# EAGLE board board (EAGLE 7.5.0), part 2 of 2
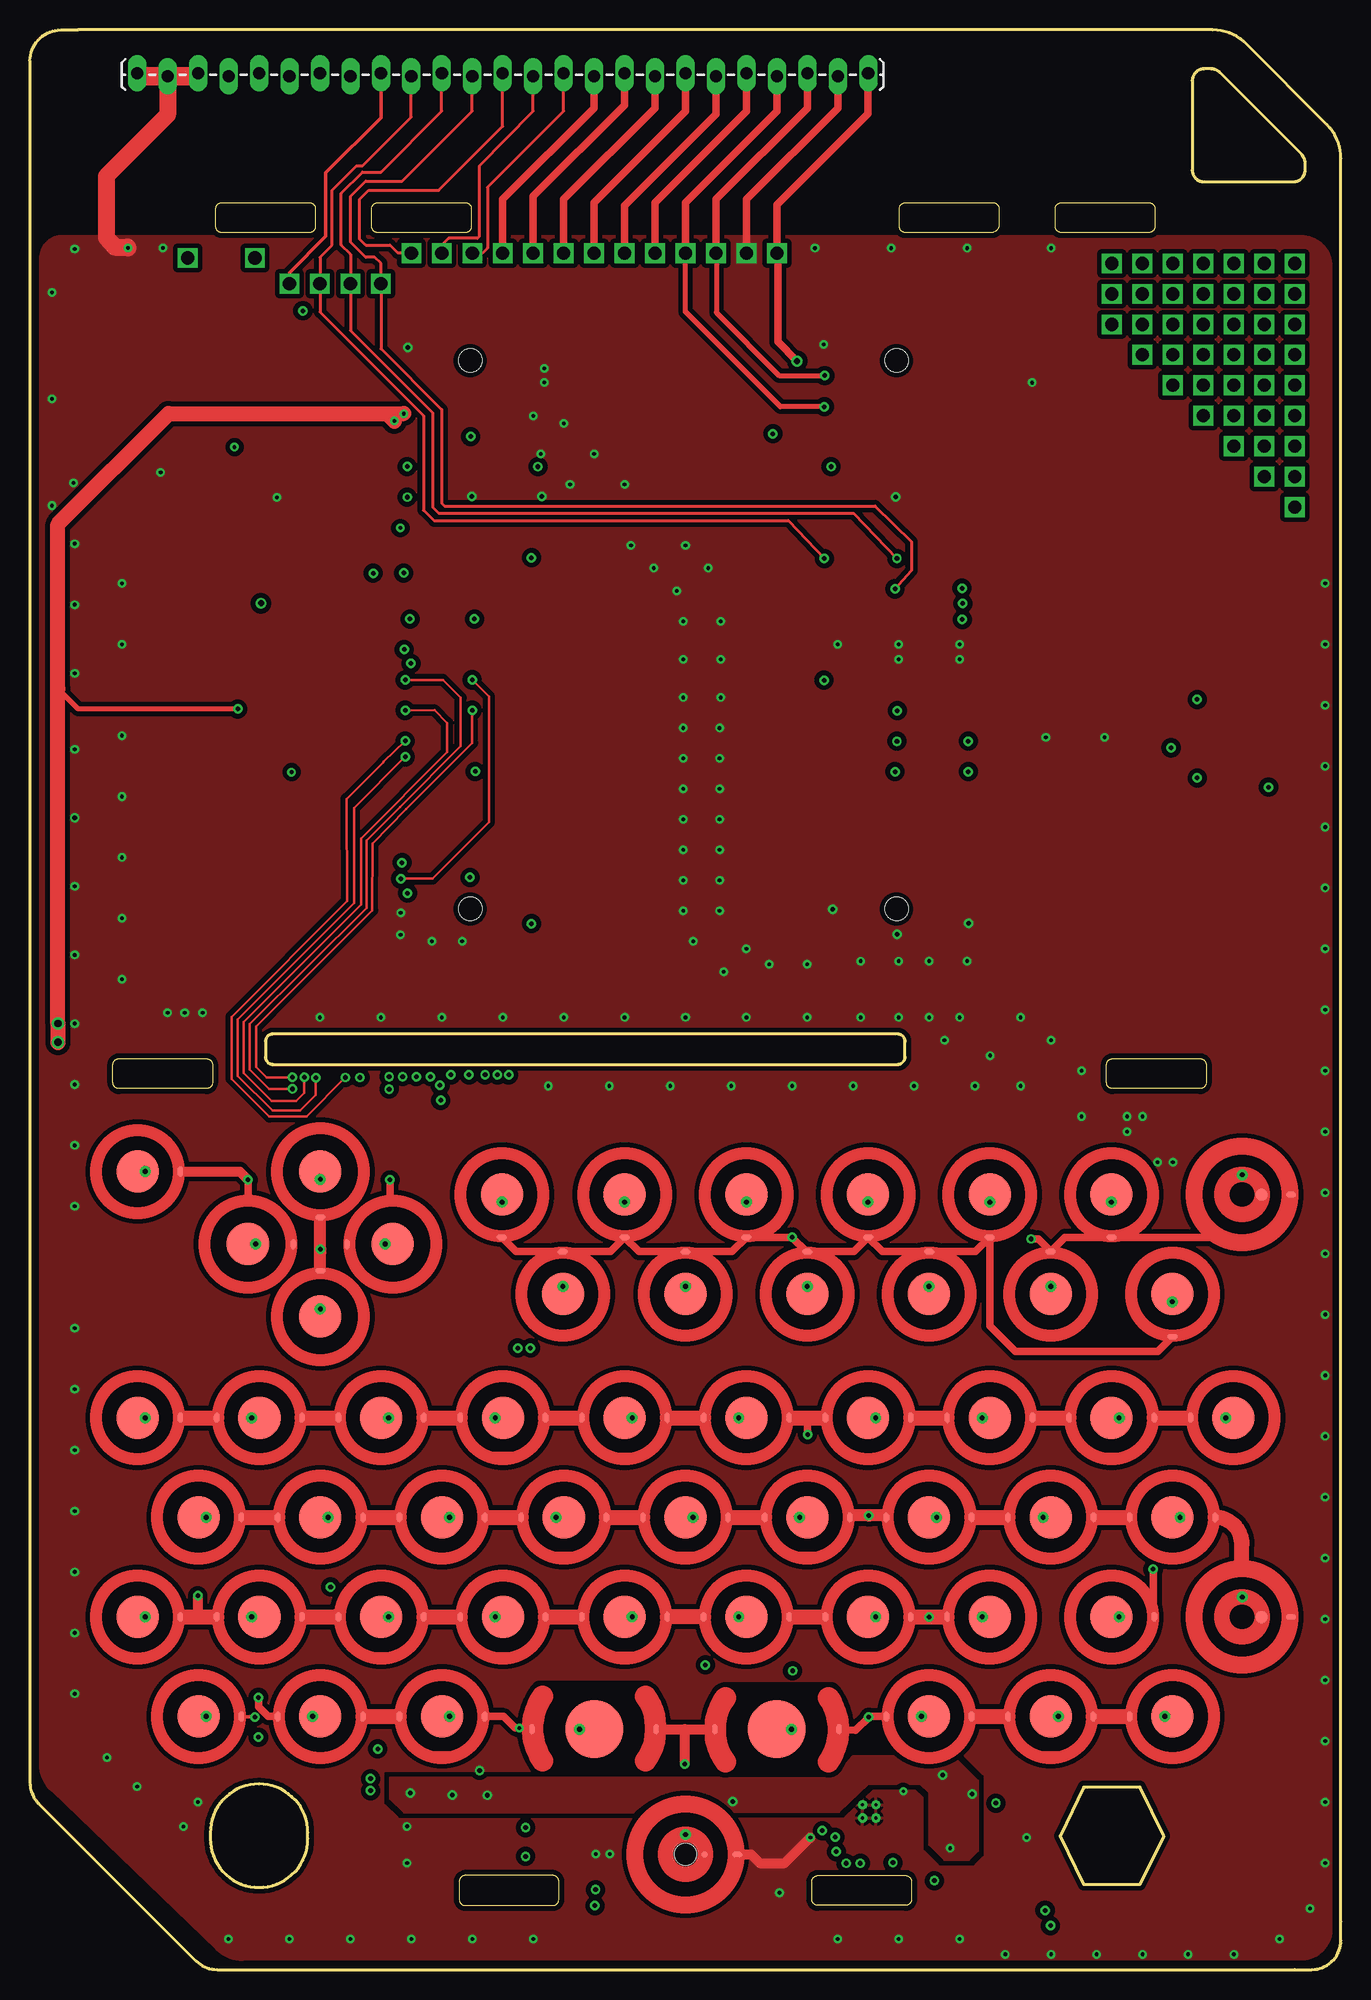
[diagram p0: board, top side]
## Tracks (layer width: path | path; a pad name or v marks a point on that pad's centre or on a via)
1WIRE
  Bottom 0.254: U3.2 15.32,102.31
  Bottom 0.279: 17.16,102.31 R12.1
  Bottom 0.406: 15.32,102.31 17.16,102.31 | R12.1 18.39,102.33 31.19,115.13 31.27,115.13 31.28,115.14 J1.58
3V3_SAFE  (via drill 1.1)
  Bottom 0.813: Q3.2 13.19,142.67 v13.16,142.7 13.16,147.98 21.64,156.46 JP1.2
5V_SAFE  (via drill 1.1)
  Bottom 0.61: 18.8,142.66 v18.76,142.7
  Bottom 0.813: JP1.3 24.18,155.73 24.86,155.04 24.86,144.6 23.77,143.51 20.04,143.51 18.8,142.66 | Q4.2 18.78,142.68 v18.76,142.7
ADC  (via drill 0.38, 1.1)
  Top 0.305: JP1.5 29.26,154.4 24.66,149.8 24.66,144.5 21.64,141.48 v21.64,140.56
  Route2 0.305: v21.64,140.56 21.64,139.74 22.25,139.13 34.67,139.16 43.35,130.47 48.46,130.45 49.47,129.43 49.5,129.43 50.9,128.03 v61.95,128.03
  Bottom 0.305: J1.12 67.22,122.76 v61.95,128.03
  Bottom 0.406: ESD16.C 21.64,139.23 v21.64,140.56
COL-0  (via drill 0.38)
  Top 0.203: SHIFT.SW@2 SHIFT.SW@1
  Top 0.305: CTRL.SW@2 CTRL.SW@1 | 1.SW@2 1.SW@1
  Top 0.406: ESC.SW@2 9.62,66.5 | 9.61,66.5 ESC.SW@2 | ESC.SW@2 ESC.SW@1
  Top 0.61: Q.SW@1 Q.SW@2 | A.SW@1 A.SW@2
  Route2 0.406: v19.05,19.37 28.06,10.38 43.12,10.38 45.36,8.14 45.36,6.64 46.68,5.32 v47.1,5.32
  Route15 0.61: 1.SW@2 92.44,55.67 80,68.11 11.2,68.11 ESC.SW@2
  Bottom 0.203: U2.9 65.88,12.92 57.78,4.82 47.63,4.82 v47.1,5.32
  Bottom 0.406: 9.61,66.5 ESC.SW@2
  Bottom 0.813: v19.05,19.37 16.4,19.37 CTRL.SW@2 9.61,26.18 SHIFT.SW@2 9.61,32.62 A.SW@2 9.61,42.78 Q.SW@2 9.62,66.5 9.61,66.5
COL-1  (via drill 0.38)
  Top 0.406: -.SW@1 -.SW@2 | FN.SW1 FN.SW
  Top 0.61: W.SW W.SW1 | Z.SW Z.SW1 | 2.SW@1 2.SW@2
  Top 0.813: S.SW S.SW1
  Route2 0.406: v29,18.38 27.02,16.4 27.02,13.23 29.23,11.02 44.18,11.02 47.16,8.04 47.16,6.81 v47.15,6.67
  Route2 0.61: 2.SW@2 39.35,64.85 45.46,70.98 69.52,70.98 83.56,56.95 -.SW@2
  Route15 0.61: W.SW1 36.31,63.8 39.18,63.8 2.SW@2
  Bottom 0.203: U2.10 65.51,13.43 57.5,5.43 48.39,5.43 v47.15,6.67
  Bottom 0.61: v29,18.38 26.29,18.38 FN.SW1
  Bottom 0.813: FN.SW1 23.57,24.32 Z.SW1 19.17,30.08 19.17,34.74 22.13,37.7 23.69,37.7 | W.SW1 W.SW 23.69,41.44 23.69,37.7 | 23.69,37.7 S.SW1
COL-2
  Top 0.254: ALT.SW ALT.SW1
  Top 0.305: 3.SW@2 3.SW@1 | +.SW@2 +.SW@1 | +.SW@1 90.18,65.11 90.14,65.15 90.14,64.65 +.SW@1
  Top 0.61: E.SW E.SW1 | D.SW D.SW1 | X.SW X.SW1
  Route2 0.813: X.SW1 29.91,32.62 D.SW1 29.91,42.78 E.SW1 29.91,48 38.91,56.91 38.94,56.95 3.SW@2
  Bottom 0.254: 40.94,15.16 ALT.SW1
  Bottom 0.305: E.SW1 | U2.11 66.52,13.94 65.3,15.16 40.94,15.16 | 3.SW@2 53.52,66.03 53.78,66.03 87.42,66.01 88.15,66.01 88.15,66 +.SW@2
  Bottom 0.813: X.SW1 29.91,26.18 ALT.SW1
COL-3
  Top 0.203: SPACEL.SW1 SPACEL.SW | SPACER.SW SPACER.SW1 | R.SW1 R.SW | BKSPC.SW 102.67,64.66 arc90 BKSPC.SW1
  Top 0.305: F.SW F.SW1
  Top 0.813: C.SW C.SW1 | 4.SW@2 4.SW@1
  Route15 0.61: 4.SW@2 50.56,62.99 64.56,62.99 74.41,53.15 97.95,53.15 101.07,56.27 BKSPC.SW1
  Bottom 0.254: U2.12 67.3,14.42 63.5,18.23 63.5,20.03 SPACER.SW1 | F.SW1 45.36,37.7 46.06,38.4 46.06,52.7 41.87,56.89 | 41.87,56.89 41.81,56.95 41.81,57.95 47.83,63.98 4.SW@2 | R.SW1 38.79,53.81 41.87,56.89
  Bottom 0.406: C.SW 39.51,29.4
  Bottom 0.813: C.SW1 C.SW 45.83,23 SPACEL.SW1 SPACER.SW1 | 39.51,29.4 43.86,33.75 43.86,37.69 F.SW1
COL-4  (via drill 0.38)
  Top 0.203: TAB.SW1 TAB.SW
  Top 0.254: '.SW@1 '.SW@2
  Top 0.305: 5.SW@2 5.SW@1
  Top 0.61: T.SW T.SW1 | G.SW G.SW1 | V.SW V.SW1
  Route2 0.406: TAB.SW1 74.29,21.12 72.74,22.68 63.72,22.68 61.01,25.39 v56.31,25.39
  Bottom 0.229: U2.13 68.73,17.67
  Bottom 0.254: 68.73,17.67 65.02,21.41 61.01,25.39 v56.31,25.39 | 56.26,25.39 54.22,25.39 V.SW1
  Bottom 0.406: v56.31,25.39 56.26,25.39
  Bottom 0.813: '.SW@2 82.62,29.4 TAB.SW1 | V.SW1 50.21,32.63 G.SW1 50.21,42.77 T.SW1 50.21,52.62 54.54,56.95 5.SW@2
COL-5  (via drill 0.38)
  Top 0.254: ?/.SW ?/.SW1 | H.SW1 H.SW | 59.71,29.54 B.SW
  Top 0.305: B.SW1 B.SW
  Top 0.61: Y.SW Y.SW1 | 6.SW@1 6.SW@2
  Route2 0.305: 63.57,24.91 v63.58,24.9 71.86,24.9 73.55,24.91 78.89,24.91 82.66,21.1 ?/.SW1
  Bottom 0.229: 69.21,19.27 U2.14
  Bottom 0.254: 59.16,29.38 59.12,29.38 B.SW1
  Bottom 0.305: 69.21,19.27 v63.58,24.9 63.57,24.91 63.57,24.92 B.SW1
  Bottom 0.813: 6.SW@2 59.73,46.63 Y.SW1 64.17,40.92 H.SW1 59.22,32.72 59.16,32.68 59.16,29.38
COL-6
  Top 0.203: SHFT.SW@2 SHFT.SW@1
  Top 0.305: 7.SW@2 7.SW@1
  Top 0.61: U.SW U.SW1 | J.SW J.SW1 | N.SW N.SW1
  Bottom 0.305: U2.15 69.72,18.61 71.76,20.65
  Bottom 0.813: SHFT.SW@2 88.44,21.1 83.97,16.63 81.28,16.63 78.99,18.91 73.45,18.91 71.76,20.65 70.51,21.94 70.51,28.7 N.SW1 70.51,32.62 J.SW1 70.51,42.78 U.SW1 64.81,51.7 7.SW@2
COL-7
  Top 0.61: I.SW I.SW1 | K.SW K.SW1 | M.SW@1 M.SW@2
  Top 0.813: 8.SW@1 8.SW@2 | 8.SW@2 69.88,65.19 69.87,65.18 69.87,65.21 8.SW@2
  Bottom 0.254: U2.16 70.23,17.57 70.61,17.95 78.79,17.93 81.1,15.61 84.17,15.61 87.83,19.27 97.43,19.27 98.08,19.9 98.08,23.27 97.58,23.77 93.95,23.77 92.46,25.26 92.46,29 91.06,30.4 80.39,30.4 M.SW@2
  Bottom 0.406: I.SW1 79.31,46 | 73.33,51.99 73.33,52.01
  Bottom 0.813: M.SW@2 79.39,32.62 K.SW1 84.47,40.92 I.SW1 | 79.31,46 73.33,51.99 | 73.33,52.01 69.87,55.47 69.87,63.97 8.SW@2
COL-8
  Top 0.254: L.SW L.SW1
  Top 0.406: 9.SW@1 9.SW@2
  Top 0.61: O.SW O.SW1 | UP.SW1 UP.SW | LEFT.SW LEFT.SW1
  Route2 1.016: LEFT.SW1 UP.SW1
  Route15 0.61: 9.SW@2 74.96,63.77 71.64,67.08 25.41,67.08 UP.SW1
  Bottom 0.254: U2.17 70.74,17.14 71.06,17.47 78.56,17.47 80.89,15.13 84.43,15.13 88.11,18.76 96.08,18.78 97.81,18.78 98.72,19.6 98.72,23.29 97.77,24.24 94.25,24.23 93.05,25.43 93.06,30.58 92.32,31.29 92.32,34.1 L.SW1
  Bottom 0.813: L.SW1 90.81,42.78 O.SW1 79.87,56.95 9.SW@2
COL-9
  Top 0.254: ENTER.SW1 arc-90 102.67,29.45 ENTER.SW
  Top 0.406: DWN.SW1 DWN.SW
  Top 0.61: P.SW@1 P.SW@2 | 0.SW@1 0.SW@2
  Top 0.813: RIGHT.SW1 RIGHT.SW
  Route2 0.61: 0.SW@2 71.74,72.26 44.41,72.26 32.63,60.48 RIGHT.SW1
  Route2 1.016: DWN.SW1 RIGHT.SW1
  Bottom 0.254: U2.18 71.22,16.71 71.52,17.01 78.3,17.01 79.27,16.05 79.27,13.79 80.03,13.02 84.37,13.02 89.07,17.72 98.48,17.72 99.68,18.9 99.68,29.66 ENTER.SW1
  Bottom 0.813: 0.SW@2 85,63.98 99.7,49.28 P.SW@2 99.61,45.92 99.61,32.51 ENTER.SW1
DCLK  (via drill 0.38)
  Route15 0.203: v34.19,73.72 32.67,72.2 21.2,72.2 18.37,75.03 18.31,75.09 18.31,79.59 v31.01,92.29
  Bottom 0.203: X1.30 35.42,36.28 36.34,37.2 36.34,40.51 35.07,41.77 35.07,54.37 33.02,56.43 33.04,68.14 33.04,72.57 v34.19,73.72 | v31.01,92.29 J1.76
EN  (via drill 0.3, 0.38)
  Route2 0.203: v17.06,126.93 20.55,126.93 21.81,125.66 v21.81,99.83 16.28,94.29 16.28,74 20.83,69.45 29.1,69.45 32.12,72.47 v34.25,72.47
  Bottom 0.203: 15.43,127.09 R1.1 15.32,126.92 U1.4 | v21.81,99.83 33.82,99.83 arc90 J1.70 | 15.32,126.92 17.06,126.92 v17.06,126.93 | X1.31 35.92,36.12 36.83,37.04 36.83,40.78 35.61,42 35.61,42.62 35.61,54.45 33.52,56.53 33.52,71.74 v34.25,72.47
  Bottom 0.305: 15.33,127 R1.1
  Bottom 0.61: 15.32,126.92
FB
  Bottom 0.406: C1.2 R2.2 9.42,128.47 10.21,127.73 11.11,127.73 R3.1 11.46,127.62 12.75,126.33 12.75,125.19 U1.3
FEL  (via drill 0.5, 1.1)
  Top 0.61: JP1.21 69.86,158.1 69.86,154.72 62.27,147.14 62.27,147 v62.28,143.1 62.36,143.07 62.36,135.7 v63.96,134.1
  Bottom 0.254: 62.28,143.04 v62.28,143.1
  Bottom 0.305: J1.8 66.06,127.84 63.96,129.9 v63.96,134.1
  Bottom 0.406: ESD1.C 62.3,143.07 v62.28,143.1
GND  (via drill 0.25, 0.3, 0.3 pad 0.56, 0.38, 1.1)
  Top 0.61: v59.74,143.1 59.74,147.57 67.36,155.19 JP1.20
  Top 0.813: PWR.GND 60.12,9.6 60.85,8.87 62.92,8.87 v65.07,11.02
  Top 1.422: JP1.24 11.48,154.62 6.36,149.5 6.36,144.4 7.06,143.6 8.11,143.6 v8.17,143.54
  Top 1.524: JP1.25 9.19,157.85 JP1.24 13.76,157.85 arc90 JP1.23
  Bottom 0.203: X1.3 21.92,35.33 22.14,35.56 22.78,35.56 22.93,35.41 22.93,34.41 X1.5 | X1.6 23.42,33.32 23.57,33.17 26.84,33.17 26.97,33.3 26.97,33.38 26.92,33.43 X1.13 | X1.29 34.92,33.46 35.15,33.22 36.29,33.22 37,32.51 37,31.95 35.94,30.89 33.07,30.89 31.34,32.61 31.34,33.15 31.42,33.22 X1.22 | v65.07,11.02 65.42,11.02
  Bottom 0.254: C4.2 20.19,124.5 20.19,124.18 | C5.2 9.07,125.3 | v10.9,124.81 11.1,124.68 11.53,124.25 | 40.59,132.92 J1.43
  Bottom 0.406: U1.2 11.53,124.17 11.53,124.25 | 20.34,124.33 20.19,124.18 | U2.H1 U2.25
  other vias: 20.6,122.73 66.19,135.48 62.49,6.4 72.44,2.54 83.1,11.02 83.56,132.3 96.57,1.27 31.52,135.25 42.87,133.49 36.83,122.83 42.67,122.83 42.87,132.33 72.31,86.33 78.28,87.22 33.49,85.72 30.91,88.11 30.9,86.26 72.18,122.78 72.82,14.85 6.42,17.67 31.44,11.94 31.44,8.89 11.48,79.77 12.9,79.77 14.4,79.77 12.8,11.93 37.49,16.6 47.16,9.63 48.33,9.63 66.92,88.38 67.36,110.49 108,115.57 108,110.49 108,105.41 108,100.33 108,95.25 108,90.17 108,85.09 108,80.01 7.67,115.57 7.67,110.49 7.67,102.87 7.67,97.79 7.67,92.71 7.67,87.63 7.67,82.55 3.73,78.87 3.73,73.79 3.73,68.71 3.73,63.63 3.73,53.47 3.73,48.39 3.73,43.31 3.73,38.23 3.73,33.15 3.73,28.07 3.73,22.99 8.94,15.24 14.02,13.97 16.56,2.54 21.64,2.54 26.72,2.54 31.8,2.54 36.88,2.54 41.96,2.54 67.36,2.54 77.52,2.54 81.33,1.27 85.14,1.27 88.95,1.27 92.76,1.27 100.38,1.27 104.19,2.54 106.73,5.08 108,8.89 108,13.97 108,19.05 108,24.13 108,29.21 108,34.29 108,39.37 108,44.45 108,49.53 108,54.61 108,59.69 108,64.77 108,69.85 108,74.93 43.23,73.66 48.31,73.66 53.39,73.66 58.47,73.66 63.55,73.66 68.63,73.66 73.71,73.66 78.79,73.66 76.25,77.47 87.68,74.93 85.14,77.47 82.6,73.66 80.06,76.2 87.68,71.12 91.49,71.12 91.49,69.85 94.03,67.31 95.3,67.31 92.76,71.12 57.5,88.27 54.46,88.27 54.46,90.81 57.5,90.81 57.5,93.34 54.46,93.34 54.46,95.89 57.5,95.89 57.5,98.42 54.46,98.42 54.46,100.97 57.5,100.97 57.5,103.5 54.46,103.5 54.46,106.05 57.6,106.05 57.6,109.22 54.46,109.22 54.46,112.39 57.6,112.39 55.29,85.72 57.83,83.19 59.74,85.09 61.64,83.82 64.82,83.82 54.66,79.38 64.82,79.38 69.26,84.07 72.44,84.07 74.98,84.07 78.15,84.07 69.26,79.38 72.44,79.38 74.98,79.38 77.52,79.38 82.6,79.38 3.73,84.58 3.73,90.3 3.73,96.01 3.73,101.73 3.73,108.08 3.73,113.79 3.73,118.87 1.82,122.05 3.63,123.95 1.82,130.94 1.82,139.83 3.73,143.44 11.08,143.54 65.45,143.51 71.8,143.51 78.15,143.51 85.14,143.51 53.92,114.94 56.56,116.84 54.66,118.75 52.02,116.84 50.11,118.75 49.58,123.83 45.03,123.83 41.96,129.54 44.5,128.91 42.59,126.36 47.04,126.36 77.52,110.49 77.52,109.22 72.44,109.22 72.44,110.49 36.03,85.72 89.61,102.74 84.7,102.74 59.74,79.38 49.58,79.38 44.5,79.38 39.42,79.38 34.34,79.38 29.26,79.38 24.18,79.38
  pour Bottom (rank 2): 22.4,121.38 19.48,121.38 18.66,122.39 18.66,123.16 19.2,123.49 19.2,126.03 23.41,125.95 23.41,122.39
  pour Bottom (rank 2): 13.1,124.02 10.43,124.02 9.93,123.31 8.02,123.31 7.95,127.02 7.95,127.32 10.36,127.32 10.74,126.84 11.35,126.84 11.73,126.46 11.73,124.68 11.98,124.43 13,124.43 13.13,124.3 13.13,124.05
  pour Bottom (isolate 0.203, rank 4): 0.85,142.33 0.85,17.12 arc45 1.81,14.92 15.4,1.74 arc44 17.79,0.81 105.86,0.85 arc90 108.5,3.25 108.5,141.83 arc90 105.96,144.53 2.59,144.53 arc90
  pour Top (isolate 0.4, rank 3): 108.5,79.63 0.85,79.63 0.85,17.07 arc45 1.81,14.92 15.55,1.69 arc44 17.75,0.8 105.86,0.85 arc90 108.5,3.25
  pour Top: 36.11,28.45 36.88,27.43 36.88,27.69 arc90
  pour Top (isolate 0.4, rank 3): 105.96,144.53 2.59,144.53 arc90 0.85,142.49 0.85,79.63 108.5,79.63 108.5,141.99 arc90
  pour Route2 (isolate 0.4, rank 3): 108.5,79.63 0.88,79.63 0.83,17.08 0.85,17.12 arc45 1.81,14.92 15.8,1.69 arc43 17.78,0.86 105.86,0.86 arc90 108.5,3.24
  pour Route15 (isolate 0.4, rank 3): 108.5,79.63 0.85,79.63 0.85,17.12 arc45 1.81,14.92 16.03,1.69 arc43 17.23,0.84 105.86,0.85 arc90 108.5,3.25
  pour Route2 (isolate 0.4, rank 3): 105.96,144.53 2.59,144.53 arc90 0.85,142.33 0.85,79.63 108.5,79.63 108.5,141.83 arc90
  pour Route15 (isolate 0.4, rank 3): 105.96,144.53 2.59,144.53 arc90 0.85,142.33 0.85,79.63 108.5,79.63 108.5,141.83 arc90
GP1  (via drill 0.38, 1.1)
  Top 0.254: JP1.6 31.8,154.43 27.73,150.37 27.22,150.37 25.19,148.34 25.19,143.76 24.18,142.75 v24.18,140.56 24.18,138.18 32.81,129.54 32.81,121.67 33.68,120.8 63.24,120.8 v66.24,117.64
  Bottom 0.254: 69.25,117.64 J1.16
  Bottom 0.406: ESD15.C 24.18,139.3 v24.18,140.56
  Bottom 0.61: v66.24,117.64 69.25,117.64
GP2  (via drill 0.38, 1.1)
  Top 0.254: JP1.7 34.34,154.94 29.26,149.86 27.73,149.86 25.95,148.08 25.95,143.76 26.72,143 v26.72,140.56 26.72,136.65 33.57,129.79 33.57,121.92 34.08,121.41 68.68,121.41 v72.28,117.64
  Bottom 0.254: 75.25,117.64 J1.15
  Bottom 0.406: ESD14.C v26.72,140.56
  Bottom 0.61: v72.28,117.64 75.25,117.64
GP3  (via drill 0.38, 1.1)
  Top 0.254: JP1.8 36.88,154.94 31.03,149.1 27.99,149.1 26.72,147.83 26.72,144.02 27.99,142.75 28.75,142.75 29.26,142.24 v29.26,140.56 29.26,135.13 34.34,130.05 34.34,122.25 34.56,122.02 70.46,122.02 73.5,119.02 73.5,116.64 v72.13,115.11
  Bottom 0.254: 69.28,115.11 J1.18
  Bottom 0.406: ESD13.C v29.26,140.56
  Bottom 0.61: v72.13,115.11 69.28,115.11
GP4  (via drill 0.38, 1.1)
  Top 0.254: JP1.9 39.42,153.67 34.08,148.34 28.24,148.34 27.48,147.57 27.48,144.27 27.99,143.76 30.02,143.76 30.65,143.13 31.76,143.13 v31.8,143.1
  Route15 0.254: v77.72,115.15 87.45,115.15 88.53,116.23 88.57,128.36 79.04,137.76 34.59,137.76 31.8,140.56 v31.8,143.1
  Bottom 0.254: J1.17 77.7,115.14 v77.72,115.15
  Bottom 0.406: ESD12.C v31.8,143.09 v31.8,143.1
GP5  (via drill 0.38, 1.1)
  Top 0.254: JP1.10 41.96,154.94 37.48,150.37 37.48,144.5 37.31,144.32 34.92,144.32 34.34,143.76 v34.34,143.1
  Route15 0.254: v77.77,113.89 88.49,113.89 89.47,114.86 89.47,128.35 89.45,128.36 79.42,138.27 35.48,138.27 34.34,139.41 v34.34,143.1
  Bottom 0.254: J1.20 71.79,112.6 73.07,113.88 v77.77,113.88 v77.77,113.89
  Bottom 0.406: ESD11.C 34.35,143.08 v34.34,143.1
GP6  (via drill 0.38, 1.1)
  Top 0.254: JP1.11 44.5,154.94 38.15,148.59 38.15,143.51 37.73,143.1 v36.88,143.1
  Route15 0.254: v77.73,112.56 88.5,112.56 90.34,114.41 90.34,128.24 79.68,138.78 39.21,138.78 36.88,141.12 v36.88,143.1
  Bottom 0.254: J1.19 75.28,112.56 | v77.73,112.56
  Bottom 0.406: ESD10.C 36.87,143.09 v36.88,143.1
  Bottom 0.61: 75.28,112.56 v77.73,112.56
HSYNC  (via drill 0.38)
  Route15 0.203: v35.1,74.6 35.1,72.32 34.19,71.42 21.21,71.42 17.85,74.78 17.85,80.12 30.9,93.17 34.57,93.17 v36.69,91.06
  Bottom 0.203: X1.32 36.42,36.01 37.29,36.89 37.29,41.08 36.06,42.31 36.06,73.6 v35.1,74.6 | J1.77 38,89.74 v36.69,91.06
I2C-SCL  (via drill 0.38, 1.1)
  Top 0.61: v52.12,143.1 52.12,147.32 59.74,154.94 JP1.17
  Route15 0.254: v52.12,143.1 52.12,142.33 52.62,141.83 81.66,141.83 94.23,129.3 95.14,128.39 v95.14,101.85
  Bottom 0.203: 75.28,104.94 J1.25 | U4.4 97.71,101.87 R16.1 | 95.16,101.87 arc90 v95.14,101.85
  Bottom 0.254: 52.15,143.06 v52.12,143.1 | 75.15,104.94 J1.25
  Bottom 0.305: v95.14,101.85 81.48,101.85 78.23,104.94 75.15,104.94 | U4.4 95.16,101.87
  Bottom 0.406: ESD4.C 52.12,141.97 v52.12,143.1
I2C-SDA  (via drill 0.38, 1.1)
  Top 0.61: v49.58,143.1 49.58,147.07 57.2,154.69 JP1.16
  Route15 0.254: v49.58,143.1 49.58,142.21 50.47,141.32 81.33,141.32 93.7,129.13 93.7,100.19 90.01,96.67 71.78,96.67 70.25,98.2 70.25,103.05 v72.31,104.94
  Bottom 0.203: 97.72,103.61 R17.1
  Bottom 0.254: 72.3,104.93 v72.31,104.94 | 49.57,143.02 v49.58,143.1
  Bottom 0.305: v72.31,104.94 73.51,106.15 78.86,106.15 81.39,103.62 R17.1 | U4.6 100.79,103.19 100.38,103.61 97.72,103.61
  Bottom 0.406: ESD5.C v49.58,143.1
  Bottom 0.61: J1.26 72.3,104.93
KPD_I2C_SCL  (via drill 0.38)
  Route15 0.203: 105.2,72.23 105.2,8.73 100.12,3.65 v85.09,3.66
  Route15 0.254: v41.32,11.84 40.92,11.53 40.64,11.53 35.48,11.51 33.93,9.96 33.93,4.8 35.07,3.66 v85.09,3.66 v85.08,3.65 | 105.2,72.23 105.2,75.08 98.88,81.4 52.15,81.4 47.7,85.85 47.7,116.44 37.97,126.18 31.27,126.18 30.45,125.36 30.45,123.52 31.21,122.75 v31.45,122.75
  Bottom 0.203: U2.23 arc90 71.98,12.39 73.56,12.39 74.73,11.22 77.93,11.22 83.92,5.23 83.92,4.32 84.58,3.66 v85.09,3.66 | J1.52 33.72,122.72 33.76,122.72 | R4.1 38.8,11.46 39.09,11.18 U5.11
  Bottom 0.254: v41.32,11.84 41.32,11.56 40.92,11.15 39.75,11.15 U5.11 | J1.52 | 31.46,122.76 v31.45,122.75
  Bottom 0.61: J1.52 31.46,122.76
KPD_I2C_SDA  (via drill 0.38)
  Route15 0.203: 104.54,74.78 104.54,9.46 100,4.92 84.65,4.92 v84.64,4.93
  Route15 0.254: 83.87,4.17 35.78,4.17 34.64,5.31 34.64,8.46 35.58,9.4 v41.32,9.42 | 104.54,74.78 100.72,78.6 100.72,78.62 98.95,80.38 51.86,80.38 46.78,85.47 46.78,116.38 38.14,125.01 38.14,125.02 | 38.14,125.02 | v31.46,125.31 37.86,125.31 38.14,125.02 | 83.87,4.17 | v84.64,4.93 v84.63,4.93 83.87,4.17
  Bottom 0.203: 33.74,125.21 J1.50 | U2.22 73.63,12.93 74.96,11.6 78.16,11.6 84.64,5.12 v84.64,4.93 | R5.1 38.47,9.46 38.88,9.88 U5.9
  Bottom 0.254: U5.9 arc-90 39.73,9.86 40.92,9.86 41.22,9.55 v41.32,9.42 | v31.46,125.31 J1.50
KPD_INT  (via drill 0.38)
  Route2 0.203: 105.91,72.33 105.91,8.73 100.22,3.04 79.9,3.04 v75.41,7.41
  Route2 0.254: 105.91,72.33 105.91,75.48 99.07,82.32 67.46,82.32 64.6,85.18 64.6,105.88 v66.21,107.49
  Bottom 0.203: U2.24 73.27,11.94 74.24,10.97 TP3.1 74.24,9.41 74.7,8.96 75.39,8.96 R10.2 75.41,8.64 v75.41,7.41
  Bottom 0.305: J1.24 68.56,107.47 68.56,107.5 | 66.21,107.5 v66.21,107.49
  Bottom 0.406: 68.56,107.5 66.21,107.5
KPD_RST
  Bottom 0.203: U2.20 72.97,13.94 73.46,14.42 73.46,15.94 arc-90 R6.1
  Bottom 0.254: TP4.1 73.24,16.28 R6.1
LCD_D3  (via drill 0.38)
  Route2 0.203: v29.94,74.45 27.48,71.93 21.42,71.93 18.32,75.03 18.32,83.94 35.53,101.14 35.53,111.07 v37.05,112.6
  Bottom 0.203: X1.24 32.42,53.58 27.78,58.21 27.78,72.24 v29.94,74.45 | J1.59
  Bottom 0.61: v37.05,112.6 v37.06,112.6 J1.59
LCD_D4  (via drill 0.38)
  Route2 0.203: v29.94,73.41 29.93,73.39 27.82,71.27 21.33,71.27 17.83,74.77 17.83,84.31 32.95,99.43 32.95,111.33 v31.68,112.6
  Bottom 0.203: 33.72,112.56 J1.60 | X1.25 32.92,53.73 28.29,58.35 28.29,58.36 28.19,58.46 28.19,71.65 v29.94,73.41
  Bottom 0.61: v31.68,112.6 J1.60
LCD_D5  (via drill 0.38)
  Route2 0.203: v31.07,74.45 31.07,73.11 28.66,70.71 21.12,70.71 17.33,74.51 17.33,84.83 32.14,99.64 32.14,108.52 v31.77,108.89
  Bottom 0.203: 39.72,110 J1.61 37.96,110.05 36.81,108.89 v31.77,108.89 | X1.26 33.42,53.88 28.66,58.63 28.66,70.69 31.07,73.09 v31.07,74.45
LCD_D6  (via drill 0.38)
  Route2 0.203: v32.2,74.45 32.2,73.36 28.8,69.95 21.15,69.95 16.81,74.29 16.81,85.31 30.6,99.1 30.6,109.48 v31.21,110.06
  Bottom 0.203: 33.72,110.03 J1.62 | X1.27 33.92,54.11 32.2,55.82 v32.2,74.45 | 33.84,110.07 J1.62 | J1.62
  Bottom 0.61: v31.21,110.06 J1.62
LCD_D7  (via drill 0.38)
  Top 0.203: v30.92,90.94 33.55,90.94 38.27,95.66 38.27,106.13 v36.87,107.52
  Route15 0.203: v33.39,74.45 31.69,72.75 21.4,72.75 18.88,75.28 18.88,78.89 v30.92,90.94
  Bottom 0.203: 39.72,107.48 J1.63 | X1.28 34.42,35.97 35.87,37.43 35.87,40.25 34.32,41.8 34.32,54.35 32.61,56.06 32.61,73.68 v33.39,74.45
  Bottom 0.61: v36.87,107.52 J1.63
LCD_D10  (via drill 0.38)
  Top 0.203: v21.88,73.41 19.95,73.41 18.33,75.03 18.33,78.81 28.09,88.52 28.09,94.12 30.84,96.93 35.91,102 35.91,106.04 34.44,107.52 v31.29,107.52
  Bottom 0.203: X1.15 27.92,35.66 28.25,36 28.25,39.96 27.48,40.73 27.48,47.3 23.31,51.46 23.31,71.98 v21.88,73.41 | v31.29,107.52 J1.64
LCD_D11  (via drill 0.38)
  Top 0.203: v21.88,74.38 19.74,74.38 18.86,75.26 18.86,78.62 28.54,88.3 28.55,93.87 31.36,96.74 36.88,102.25 v36.88,104.98 36.86,104.96
  Bottom 0.203: X1.16 28.42,35.51 28.66,35.75 28.66,40.26 27.99,40.94 27.99,47.68 24.94,50.72 24.94,71.36 v21.88,74.38 | J1.65
  Bottom 0.61: v36.88,104.98 J1.65
LCD_D12  (via drill 0.38)
  Top 0.203: v22.86,74.38 22.86,73.08 22.21,72.43 20.16,72.43 17.83,74.76 17.83,79 27.61,88.78 27.61,94.31 34.79,101.49 34.79,103.92 33.73,104.98 v31.29,104.98
  Bottom 0.203: 33.68,104.89 33.7,104.92 J1.66 31.49,104.98 v31.29,104.98 | X1.17 28.92,35.35 29.11,35.54 29.11,40.52 28.49,41.14 28.49,47.88 25.47,50.9 25.47,71.8 24.43,72.84 v22.86,74.38
LCD_D13  (via drill 0.38)
  Top 0.203: v23.83,74.37 23.83,72.92 22.51,71.6 20.23,71.6 17.33,74.49 17.33,79.2 27.03,88.9 27.03,96.81 v31.29,101.11
  Bottom 0.203: 39.72,102.41 40.06,102.41 40.02,102.44 37.47,102.44 36.13,101.11 v31.29,101.11 | X1.18 29.42,35.19 29.51,35.29 29.51,40.81 29,41.34 29,48.08 25.9,51.18 25.9,72.29 v23.83,74.37
  Bottom 0.305: 39.72,102.41 J1.67
LCD_D14  (via drill 0.38)
  Top 0.203: v26.29,74.37 23.05,71.1 19.96,71.1 16.81,74.25 16.81,79.43 26.44,89.07 26.4,97.59 29.45,100.64 29.5,100.71 v31.29,102.43
  Bottom 0.203: X1.19 29.92,35.23 30.86,36.17 30.86,52.55 26.28,57.12 26.28,74.34 v26.29,74.37 | v31.29,102.43 J1.68
LCD_D15  (via drill 0.38)
  Route2 0.203: v37.13,99.88 18.85,81.61 18.85,75.27 21.69,72.44 25.57,72.44 v27.51,74.37